# Altium PCB CFD_V1.03.PcbDoc (part 6 of 10)
Units mm, origin at the board's own origin, x right, y up, seen from the top; angles counter-clockwise.
Board outline 96.25 x 362.25 mm, 6 copper layers (Top, L2, L3, L4, L5, Bot), stack 1.496 mm thick; 1353 components, 761 nets, 4147 pads, 1354 vias.
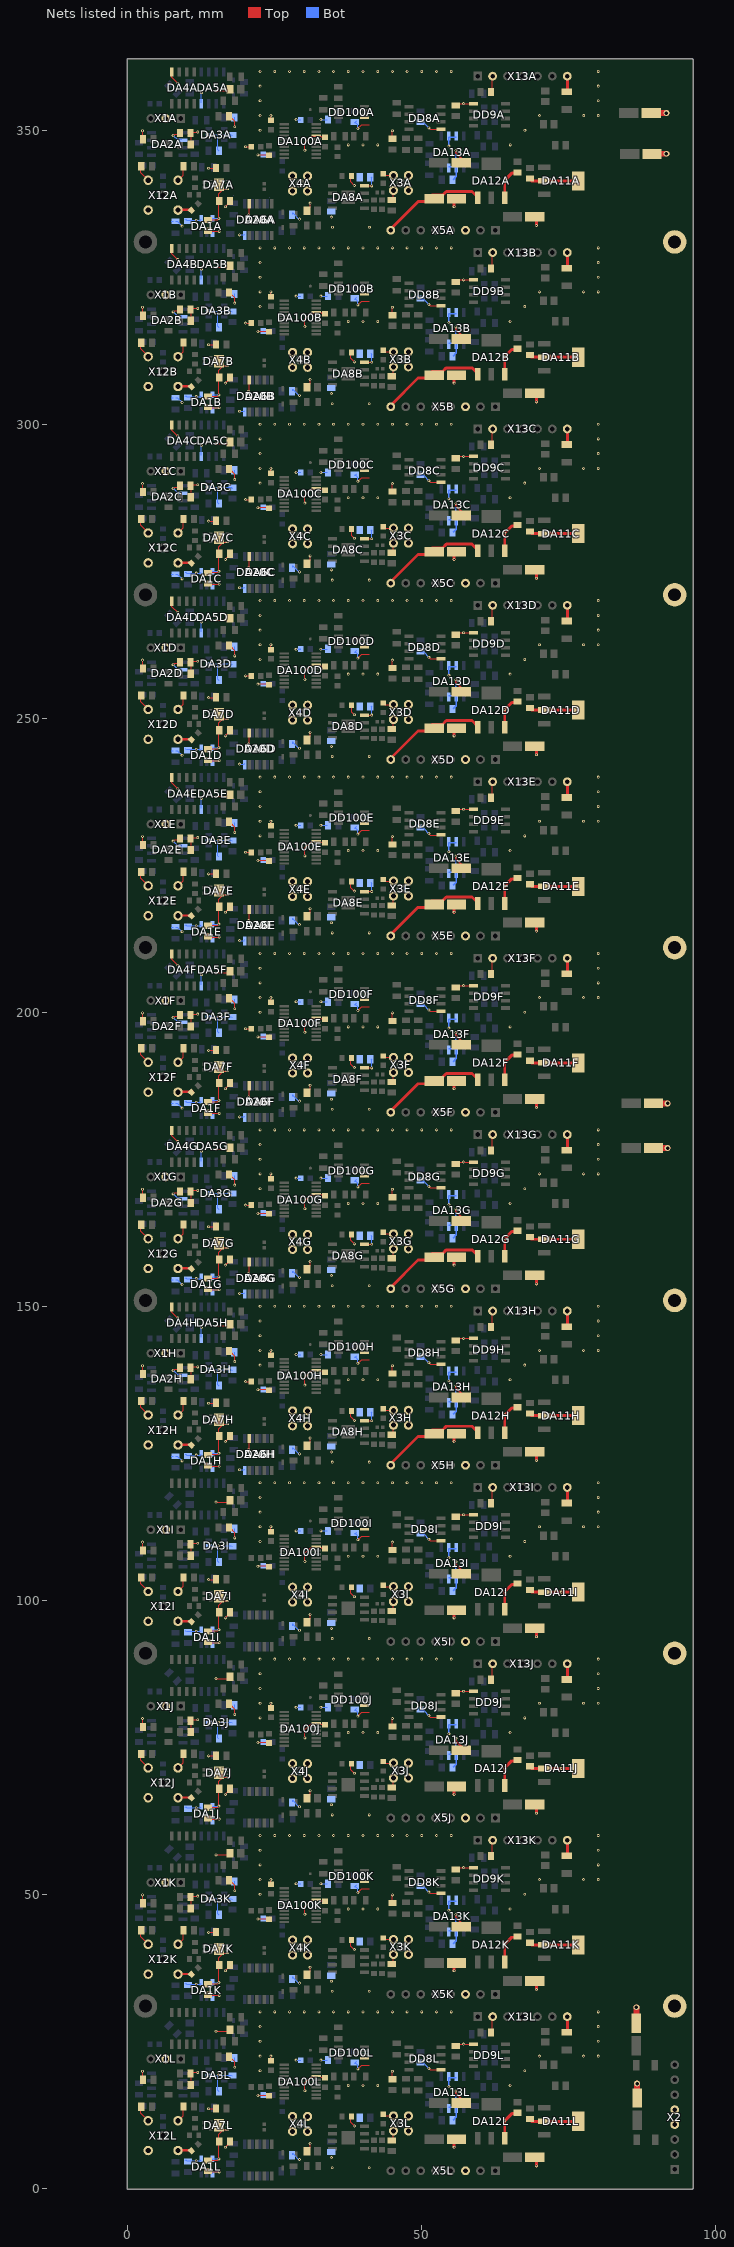
[diagram p10: the nets of this part, all layers, seen from the top]

## Via types
v1: diameter 0.48, hole 0.25, Top to Bot, tented both sides, 1301 vias
v2: diameter 1, hole 0.6, Top to Bot, tented both sides, 46 vias
v3: diameter 0.2/0.48/0.48/0.48/0.48/0.48 (per signal layer), hole 0.25, Top to Bot, tented both sides, 3 vias
v4: diameter 0.2/0/0/0/0/0.48 (per signal layer), hole 0.25, Top to Bot, tented both sides, 3 vias
v5: diameter 0.48/0.48/0.48/0.48/0.48/0.48 (per signal layer), hole 0.25, Top to Bot, tented both sides, 1 vias

## Nets (pads, with @x,y where several pads share a name; then routed paths per layer and width w, separated by ;. In a path a pad name is that pad's centre, name@x,y a point inside that pad or via, vN(x,y) a via of type N, cw(c..) or ccw(c..) an arc to the next point about the centre after c; other vN are vias at no path point) (continued)
GND: C1A.1 C1B.1 C1C.1 C1D.1 C1E.1 C1F.1 C1G.1 C1H.1 C1I.1 C1J.1 C1K.1 C1L.1 C2A.1 C2B.1 C2C.1 C2D.1 C2E.1 C2F.1 C2G.1 C2H.1 C2I.1 C2J.1 C2K.1 C2L.1 C3A.1 C3B.1 C3C.1 C3D.1 C3E.1 C3F.1 C3G.1 C3H.1 C3I.1 C3J.1 C3K.1 C3L.1 C4A.1 C4B.1 C4C.1 C4D.1 C4E.1 C4F.1 C4G.1 C4H.1 C4I.1 C4J.1 C4K.1 C4L.1 C6A.1 C6B.1 C6C.1 C6D.1 C6E.1 C6F.1 C6G.1 C6H.1 C6I.1 C6J.1 C6K.1 C6L.1 C7A.1 C7B.1 C7C.1 C7D.1 C7E.1 C7F.1 C7G.1 C7H.1 C7I.1 C7J.1 C7K.1 C7L.1 C8A.1 C8B.1 C8C.1 C8D.1 C8E.1 C8F.1 C8G.1 C8H.1 C8I.1 C8J.1 C8K.1 C8L.1 C9A.1 C9B.1 C9C.1 C9D.1 C9E.1 C9F.1 C9G.1 C9H.1 C9I.1 C9J.1 C9K.1 C9L.1 C10A.1 C10B.1 C10C.1 C10D.1 C10E.1 C10F.1 C10G.1 C10H.1 C10I.1 C10J.1 C10K.1 C10L.1 C11A.1 C11B.1 C11C.1 C11D.1 C11E.1 C11F.1 C11G.1 C11H.1 C11I.1 C11J.1 C11K.1 C11L.1 C12A.1 C12B.1 C12C.1 C12D.1 C12E.1 C12F.1 C12G.1 C12H.1 C12I.1 C12J.1 C12K.1 C12L.1 C13A.1 C13B.1 C13C.1 C13D.1 C13E.1 C13F.1 C13G.1 C13H.1 C13I.1 C13J.1 C13K.1 C13L.1 C14A.1 C14B.1 C14C.1 C14D.1 C14E.1 C14F.1 C14G.1 C14H.1 C14I.1 C14J.1 C14K.1 C14L.1 C20.2 C21.1 C24A.1 C24B.1 C24C.1 C24D.1 C24E.1 C24F.1 C24G.1 C24H.1 C24I.1 C24J.1 C24K.1 C24L.1 C26A.1 C26B.1 C26C.1 C26D.1 C26E.1 C26F.1 C26G.1 C26H.1 C26I.1 C26J.1 C26K.1 C26L.1 C29A.1 C29B.1 C29C.1 C29D.1 C29E.1 C29F.1 C29G.1 C29H.1 C29I.1 C29J.1 C29K.1 C29L.1 C30A.1 C30B.1 C30C.1 C30D.1 C30E.1 C30F.1 C30G.1 C30H.1 C30I.1 C30J.1 C30K.1 C30L.1 C34.2 C37A.1 C37B.1 C37C.1 C37D.1 C37E.1 C37F.1 C37G.1 C37H.1 C37I.1 C37J.1 C37K.1 C37L.1 C38A.1 C38B.1 C38C.1 C38D.1 C38E.1 C38F.1 C38G.1 C38H.1 C38I.1 C38J.1 C38K.1 C38L.1 C41A.1 C41B.1 C41C.1 C41D.1 C41E.1 C41F.1 C41G.1 C41H.1 C41I.1 C41J.1 C41K.1 C41L.1 C42A.2 C42B.2 C42C.2 C42D.2 C42E.2 C42F.2 C42G.2 C42H.2 C42I.2 C42J.2 C42K.2 C42L.2 C43A.1 C43B.1 C43C.1 C43D.1 C43E.1 C43F.1 C43G.1 C43H.1 C43I.1 C43J.1 C43K.1 C43L.1 C44.2 C45.1 C46.1 C47A.1 C47B.1 C47C.1 C47D.1 C47E.1 C47F.1 C47G.1 C47H.1 C47I.1 C47J.1 C47K.1 C47L.1 C71A.1 C71B.1 C71C.1 C71D.1 C71E.1 C71F.1 C71G.1 C71H.1 C71I.1 C71J.1 C71K.1 C71L.1 C73A.1 C73B.1 C73C.1 C73D.1 C73E.1 C73F.1 C73G.1 C73H.1 C73I.1 C73J.1 C73K.1 C73L.1 C129A.1 C129B.1 C129C.1 C129D.1 C129E.1 C129F.1 C129G.1 C129H.1 C129I.1 C129J.1 C129K.1 C129L.1 C135A.2 C135B.2 C135C.2 C135D.2 C135E.2 C135F.2 C135G.2 C135H.2 C135I.2 C135J.2 C135K.2 C135L.2 C145A.1 C145B.1 C145C.1 C145D.1 C145E.1 C145F.1 C145G.1 C145H.1 C145I.1 C145J.1 C145K.1 C145L.1 C146A.1 C146B.1 C146C.1 C146D.1 C146E.1 C146F.1 C146G.1 C146H.1 C146I.1 C146J.1 C146K.1 C146L.1 C300A.1 C300B.1 C300C.1 C300D.1 C300E.1 C300F.1 C300G.1 C300H.1 C300I.1 C300J.1 C300K.1 C300L.1 C301A.1 C301B.1 C301C.1 C301D.1 C301E.1 C301F.1 C301G.1 C301H.1 C301I.1 C301J.1 C301K.1 C301L.1 C302A.1 C302B.1 C302C.1 C302D.1 C302E.1 C302F.1 C302G.1 C302H.1 C302I.1 C302J.1 C302K.1 C302L.1 C303A.1 C303B.1 C303C.1 C303D.1 C303E.1 C303F.1 C303G.1 C303H.1 C303I.1 C303J.1 C303K.1 C303L.1 C400A.1 C400B.1 C400C.1 C400D.1 C400E.1 C400F.1 C400G.1 C400H.1 C400I.1 C400J.1 C400K.1 C400L.1 C401A.1 C401B.1 C401C.1 C401D.1 C401E.1 C401F.1 C401G.1 C401H.1 C401I.1 C401J.1 C401K.1 C401L.1 C402A.1 C402B.1 C402C.1 C402D.1 C402E.1 C402F.1 C402G.1 C402H.1 C402I.1 C402J.1 C402K.1 C402L.1 C403A.1 C403B.1 C403C.1 C403D.1 C403E.1 C403F.1 C403G.1 C403H.1 C403I.1 C403J.1 C403K.1 C403L.1 DA1A.1 DA1A.4 DA1B.1 DA1B.4 DA1C.1 DA1C.4 DA1D.1 DA1D.4 DA1E.1 DA1E.4 DA1F.1 DA1F.4 DA1G.1 DA1G.4 DA1H.1 DA1H.4 DA1I.1 DA1I.4 DA1J.1 DA1J.4 DA1K.1 DA1K.4 DA1L.1 DA1L.4 DA3A.2 DA3B.2 DA3C.2 DA3D.2 DA3E.2 DA3F.2 DA3G.2 DA3H.2 DA3I.2 DA3J.2 DA3K.2 DA3L.2 DA11A.2 DA11A.4 DA11B.2 DA11B.4 DA11C.2 DA11C.4 DA11D.2 DA11D.4 DA11E.2 DA11E.4 DA11F.2 DA11F.4 DA11G.2 DA11G.4 DA11H.2 DA11H.4 DA11I.2 DA11I.4 DA11J.2 DA11J.4 DA11K.2 DA11K.4 DA11L.2 DA11L.4 DA12A.3 DA12B.3 DA12C.3 DA12D.3 DA12E.3 DA12F.3 DA12G.3 DA12H.3 DA12I.3 DA12J.3 DA12K.3 DA12L.3 DA13A.2 DA13A.3 DA13A.6 DA13A.7 DA13B.2 DA13B.3 DA13B.6 DA13B.7 DA13C.2 DA13C.3 DA13C.6 DA13C.7 DA13D.2 DA13D.3 DA13D.6 DA13D.7 DA13E.2 DA13E.3 DA13E.6 DA13E.7 DA13F.2 DA13F.3 DA13F.6 DA13F.7 DA13G.2 DA13G.3 DA13G.6 DA13G.7 DA13H.2 DA13H.3 DA13H.6 DA13H.7 DA13I.2 DA13I.3 DA13I.6 DA13I.7 DA13J.2 DA13J.3 DA13J.6 DA13J.7 DA13K.2 DA13K.3 DA13K.6 DA13K.7 DA13L.2 DA13L.3 DA13L.6 DA13L.7 DA100A.17 DA100B.17 DA100C.17 DA100D.17 DA100E.17 DA100F.17 DA100G.17 DA100H.17 DA100I.17 DA100J.17 DA100K.17 DA100L.17 DD8A.5 DD8B.5 DD8C.5 DD8D.5 DD8E.5 DD8F.5 DD8G.5 DD8H.5 DD8I.5 DD8J.5 DD8K.5 DD8L.5 DD9A.5 DD9B.5 DD9C.5 DD9D.5 DD9E.5 DD9F.5 DD9G.5 DD9H.5 DD9I.5 DD9J.5 DD9K.5 DD9L.5 DD100A.5 DD100B.5 DD100C.5 DD100D.5 DD100E.5 DD100F.5 DD100G.5 DD100H.5 DD100I.5 DD100J.5 DD100K.5 DD100L.5 pad.1@93,31 pad.1@93,91 pad.1@93,151 pad.1@93,211 pad.1@93,271 pad.1@93,331 R4A.1 R4B.1 R4C.1 R4D.1 R4E.1 R4F.1 R4G.1 R4H.1 R4I.1 R4J.1 R4K.1 R4L.1 R11A.1 R11B.1 R11C.1 R11D.1 R11E.1 R11F.1 R11G.1 R11H.1 R11I.1 R11J.1 R11K.1 R11L.1 R304A.1 R304B.1 R304C.1 R304D.1 R304E.1 R304F.1 R304G.1 R304H.1 R304I.1 R304J.1 R304K.1 R304L.1 X1A.2 X1B.2 X1C.2 X1D.2 X1E.2 X1F.2 X1G.2 X1H.2 X1I.2 X1J.2 X1K.2 X1L.2 X2.4 X2.5 X3A.2 X3B.2 X3C.2 X3D.2 X3E.2 X3F.2 X3G.2 X3H.2 X3I.2 X3J.2 X3K.2 X3L.2 X4A.2 X4B.2 X4C.2 X4D.2 X4E.2 X4F.2 X4G.2 X4H.2 X4I.2 X4J.2 X4K.2 X4L.2 X5A.3 X5B.3 X5C.3 X5D.3 X5E.3 X5F.3 X5G.3 X5H.3 X5I.3 X5J.3 X5K.3 X5L.3 X12A.2 X12B.2 X12C.2 X12D.2 X12E.2 X12F.2 X12G.2 X12H.2 X12I.2 X12J.2 X12K.2 X12L.2 X13A.2 X13A.7 X13B.2 X13B.7 X13C.2 X13C.7 X13D.2 X13D.7 X13E.2 X13E.7 X13F.2 X13F.7 X13G.2 X13G.7 X13H.2 X13H.7 X13I.2 X13I.7 X13J.2 X13J.7 X13K.2 X13K.7 X13L.2 X13L.7 | length 1238.5
  Top w0.2: C2L.1@2.2,13.9 2.2,12.8 X12L.2@3.46,11.54 ; C71L.1@2.2,18.44 2.5,18.74 v1(2.5,19.9) ; C2K.1@2.2,43.9 2.2,42.8 X12K.2@3.46,41.54 ; C71K.1@2.2,48.44 2.5,48.74 v1(2.5,49.9) ; C2J.1@2.2,73.9 2.2,72.8 X12J.2@3.46,71.54 ; C71J.1@2.2,78.44 2.402,78.642 2.5,78.74 v1(2.5,79.9) ; C2I.1@2.2,103.9 2.2,102.8 X12I.2@3.46,101.54 ; C71I.1@2.2,108.44 2.5,108.74 v1(2.5,109.9) ; C2H.1@2.2,133.9 2.2,132.8 X12H.2@3.46,131.54 ; C71H.1@2.2,138.44 2.5,138.74 v1(2.5,139.9) ; C2G.1@2.2,163.9 2.2,162.8 X12G.2@3.46,161.54 ; C71G.1@2.2,168.44 2.5,168.74 v1(2.5,169.9) ; C2F.1@2.2,193.9 2.2,192.8 X12F.2@3.46,191.54 ; C71F.1@2.2,198.44 2.5,198.74 v1(2.5,199.9) ; C2E.1@2.2,223.9 2.2,222.8 X12E.2@3.46,221.54 ; C71E.1@2.2,228.44 2.402,228.642 2.5,228.74 v1(2.5,229.9) ; C2D.1@2.2,253.9 2.2,252.8 X12D.2@3.46,251.54 ; C71D.1@2.2,258.44 2.5,258.74 v1(2.5,259.9) ; C2C.1@2.2,283.9 2.2,282.8 X12C.2@3.46,281.54 ; C71C.1@2.2,288.44 2.5,288.74 v1(2.5,289.9) ; C2B.1@2.2,313.9 2.2,312.8 X12B.2@3.46,311.54 ; C71B.1@2.2,318.44 2.5,318.74 v1(2.5,319.9) ; C2A.1@2.2,343.9 2.2,342.8 X12A.2@3.46,341.54 ; C71A.1@2.2,348.44 2.5,348.74 v1(2.5,349.9) ; X12L.2@8.54,11.5 9.4,12.36 C14L.1@9.4,13.9 ; X12K.2@8.54,41.5 9.4,42.36 C14K.1@9.4,43.9 ; X12J.2@8.54,71.5 9.4,72.36 C14J.1@9.4,73.9 ; X12I.2@8.54,101.5 9.4,102.36 C14I.1@9.4,103.9 ; X12H.2@8.54,131.5 9.4,132.36 C14H.1@9.4,133.9 ; X12G.2@8.54,161.5 9.4,162.36 C14G.1@9.4,163.9 ; X12F.2@8.54,191.5 9.4,192.36 C14F.1@9.4,193.9 ; X12E.2@8.54,221.5 9.4,222.36 C14E.1@9.4,223.9 ; X12D.2@8.54,251.5 9.4,252.36 C14D.1@9.4,253.9 ; X12C.2@8.54,281.5 9.4,282.36 C14C.1@9.4,283.9 ; X12B.2@8.54,311.5 9.4,312.36 C14B.1@9.4,313.9 ; X12A.2@8.54,341.5 9.4,342.36 C14A.1@9.4,343.9 ; C37L.1@10.8,17.6 10.8,19.7 v1(11.89,19.7) ; C37K.1@10.8,47.6 10.8,49.7 v1(11.89,49.7) ; C37J.1@10.8,77.6 10.8,79.7 v1(11.89,79.7) ; C37I.1@10.8,107.6 10.8,109.7 v1(11.89,109.7) ; C37H.1@10.8,137.6 10.8,139.7 v1(11.89,139.7) ; C37G.1@10.8,167.6 10.8,169.7 v1(11.89,169.7) ; C37F.1@10.8,197.6 10.8,199.7 v1(11.89,199.7) ; C37E.1@10.8,227.6 10.8,229.7 v1(11.89,229.7) ; C37D.1@10.8,257.6 10.8,259.7 v1(11.89,259.7) ; C37C.1@10.8,287.6 10.8,289.7 v1(11.89,289.7) ; C37B.1@10.8,317.6 10.8,319.7 v1(11.89,319.7) ; C37A.1@10.8,347.6 10.8,349.7 v1(11.89,349.7) ; C9L.1@13.65,2.8 v1(15.55,2.8) ; C9K.1@13.65,32.8 v1(15.55,32.8) ; C9J.1@13.65,62.8 v1(15.55,62.8) ; C9I.1@13.65,92.8 v1(15.55,92.8) ; C9H.1@13.65,122.8 v1(15.55,122.8) ; C9G.1@13.65,152.8 v1(15.55,152.8) ; C9F.1@13.65,182.8 v1(15.55,182.8) ; C9E.1@13.65,212.8 v1(15.55,212.8) ; C9D.1@13.65,242.8 v1(15.55,242.8) ; C9C.1@13.65,272.8 v1(15.55,272.8) ; C9B.1@13.65,302.8 v1(15.55,302.8) ; C9A.1@13.65,332.8 v1(15.55,332.8) ; v1(13.73,13.525) 14.825,13.525 C3L.1@14.9,13.6 ; v1(13.73,43.525) 14.825,43.525 C3K.1@14.9,43.6 ; v1(13.73,73.525) 14.825,73.525 C3J.1@14.9,73.6 ; v1(13.73,103.525) 14.825,103.525 C3I.1@14.9,103.6 ; v1(13.73,133.525) 14.825,133.525 C3H.1@14.9,133.6 ; v1(13.73,163.525) 14.825,163.525 C3G.1@14.9,163.6 ; v1(13.73,193.525) 14.825,193.525 C3F.1@14.9,193.6 ; v1(13.73,223.525) 14.825,223.525 C3E.1@14.9,223.6 ; v1(13.73,253.525) 14.825,253.525 C3D.1@14.9,253.6 ; v1(13.73,283.525) 14.825,283.525 C3C.1@14.9,283.6 ; v1(13.73,313.525) 14.825,313.525 C3B.1@14.9,313.6 ; v1(13.73,343.525) 14.825,343.525 C3A.1@14.9,343.6 ; v1(15,26.7) 17,26.7 C4L.1@17.3,27 ; v1(15,56.7) 17,56.7 C4K.1@17.3,57 ; v1(15,86.7) 17,86.7 C4J.1@17.3,87 ; v1(15,116.7) 17,116.7 C4I.1@17.3,117 ; v1(15,146.7) 17,146.7 C4H.1@17.3,147 ; v1(15,176.7) 17,176.7 C4G.1@17.3,177 ; v1(15,206.7) 17,206.7 C4F.1@17.3,207 ; v1(15,236.7) 17,236.7 C4E.1@17.3,237 ; v1(15,266.7) 17,266.7 C4D.1@17.3,267 ; v1(15,296.7) 17,296.7 C4C.1@17.3,297 ; v1(15,326.7) 17,326.7 C4B.1@17.3,327 ; v1(15,356.7) 17,356.7 C4A.1@17.3,357 ; v1(16.6,7) 17.464,7.864 C11L.1@17.5,7.9 ; v3(16.6,37) C11K.1@17.5,37.9 ; v1(16.6,67) 17.464,67.864 C11J.1@17.5,67.9 ; v1(16.6,97) 17.464,97.864 C11I.1@17.5,97.9 ; v3(16.6,127) C11H.1@17.5,127.9 ; v3(16.6,157) 17.464,157.864 C11G.1@17.5,157.9 ; v1(16.6,187) C11F.1@17.5,187.9 ; v1(16.6,217) 17.464,217.864 C11E.1@17.5,217.9 ; v1(16.6,247) 17.464,247.864 C11D.1@17.5,247.9 ; v1(16.6,277) C11C.1@17.5,277.9 ; v1(16.6,307) 17.464,307.864 C11B.1@17.5,307.9 ; v1(16.6,337) 17.464,337.864 C11A.1@17.5,337.9 ; C43L.1@17.3,22.4 18.2,21.5 v1(18.2,20.6) ; C43K.1@17.3,52.4 18.2,51.5 v1(18.2,50.6) ; C43J.1@17.3,82.4 18.2,81.5 v1(18.2,80.6) ; C43I.1@17.3,112.4 18.2,111.5 v1(18.2,110.6) ; C43H.1@17.3,142.4 18.2,141.5 v1(18.2,140.6) ; C43G.1@17.3,172.4 18.2,171.5 v1(18.2,170.6) ; C43F.1@17.3,202.4 18.2,201.5 v1(18.2,200.6) ; C43E.1@17.3,232.4 18.2,231.5 v1(18.2,230.6) ; C43D.1@17.3,262.4 18.2,261.5 v1(18.2,260.6) ; C43C.1@17.3,292.4 18.2,291.5 v1(18.2,290.6) ; C43B.1@17.3,322.4 18.2,321.5 v1(18.2,320.6) ; C43A.1@17.3,352.4 18.2,351.5 v1(18.2,350.6) ; v1(22.13,15.8) 22.18,15.85 C301L.1@24.03,15.85 ; v1(22.13,45.8) 22.18,45.85 C301K.1@24.03,45.85 ; v1(22.13,75.8) 22.18,75.85 C301J.1@24.03,75.85 ; v1(22.13,105.8) 22.18,105.85 C301I.1@24.03,105.85 ; v1(22.13,135.8) 22.18,135.85 C301H.1@24.03,135.85 ; v1(22.13,165.8) 22.18,165.85 C301G.1@24.03,165.85 ; v1(22.13,195.8) 22.18,195.85 C301F.1@24.03,195.85 ; v1(22.13,225.8) 22.18,225.85 C301E.1@24.03,225.85 ; v1(22.13,255.8) 22.18,255.85 C301D.1@24.03,255.85 ; v1(22.13,285.8) 22.18,285.85 C301C.1@24.03,285.85 ; v1(22.13,315.8) 22.18,315.85 C301B.1@24.03,315.85 ; v1(22.13,345.8) 22.18,345.85 C301A.1@24.03,345.85 ; v1(24.33,22.5) 24.33,21.45 24.46,21.58 C300L.1@24.36,21.68 ; v1(24.33,52.5) 24.33,51.45 24.46,51.58 C300K.1@24.36,51.68 ; v1(24.33,82.5) 24.33,81.45 24.46,81.58 C300J.1@24.36,81.68 ; v1(24.33,112.5) 24.33,111.45 24.46,111.58 C300I.1@24.36,111.68 ; v1(24.33,142.5) 24.33,141.45 24.46,141.58 C300H.1@24.36,141.68 ; v1(24.33,172.5) C300G.1@24.33,171.45 ; v1(24.33,202.5) 24.33,201.45 24.46,201.58 C300F.1@24.36,201.68 ; v1(24.33,232.5) 24.33,231.45 24.46,231.58 C300E.1@24.36,231.68 ; v1(24.33,262.5) 24.33,261.45 C300D.1@24.46,261.58 ; v1(24.33,292.5) 24.33,291.45 24.46,291.58 C300C.1@24.36,291.68 ; v1(24.33,322.5) 24.33,321.45 24.46,321.58 C300B.1@24.36,321.68 ; v1(24.33,352.5) 24.33,351.45 24.46,351.58 C300A.1@24.36,351.68 ; v1@30.12,256.536 30.12,257.954 31.165,258.999 31.93,258.999 DA100D.17@32.03,259.099 ; v1(30.13,16.6) 30.13,17.964 31.165,18.999 31.93,18.999 DA100L.17@32.03,19.099 ; v1(30.13,46.6) 30.13,47.964 31.165,49 31.93,49 DA100K.17@32.03,49.1 ; v1(30.13,76.6) 30.13,77.964 31.165,78.999 31.93,78.999 DA100J.17@32.03,79.099 ; v1(30.13,106.6) 30.13,107.964 31.165,109 31.93,109 DA100I.17@32.03,109.099 ; v1(30.13,136.6) 30.13,137.964 31.165,139 31.93,139 DA100H.17@32.03,139.1 ; v1(30.13,166.6) 30.13,167.964 31.165,168.999 31.93,168.999 DA100G.17@32.03,169.099 ; v1(30.13,196.6) 30.13,197.964 31.165,199 31.93,199 DA100F.17@32.03,199.1 ; v1(30.13,226.6) 30.13,227.964 31.165,229 31.93,229 DA100E.17@32.03,229.1 ; v1(30.13,286.6) 30.13,287.964 31.165,289 31.93,289 DA100C.17@32.03,289.1 ; v1(30.13,316.6) 30.13,317.964 31.165,318.999 31.93,318.999 DA100B.17@32.03,319.099 32.755,319.1 33.305,318.55 C302B.1@33.53,318.55 ; v1(30.13,346.6) 30.13,347.965 31.165,349 31.93,349 DA100A.17@32.03,349.1 32.755,349.1 33.305,348.55 C302A.1@33.53,348.55 ; C13L.1@30.4,6.3 31,6.9 v1(31,7.6) ; C13K.1@30.4,36.3 31,36.9 v1(31,37.6) ; C13J.1@30.4,66.3 30.448,66.348 31,66.9 v1(31,67.6) ; C13I.1@30.4,96.3 31,96.9 v1(31,97.6) ; C13H.1@30.4,126.3 30.448,126.348 31,126.9 v1(31,127.6) ; C13G.1@30.4,156.3 30.448,156.348 31,156.9 v1(31,157.6) ; C13F.1@30.4,186.3 31,186.9 v1(31,187.6) ; C13E.1@30.4,216.3 30.448,216.348 31,216.9 v1(31,217.6) ; C13D.1@30.4,246.3 31,246.9 v1(31,247.6) ; C13C.1@30.4,276.3 31,276.9 v1(31,277.6) ; C13B.1@30.4,306.3 30.448,306.348 31,306.9 v1(31,307.6) ; C13A.1@30.4,336.3 31,336.9 v1(31,337.6) ; DA100L.17@31.404,19.1 DA100L.17@32.03,19.099 ; DA100K.17@31.404,49.1 DA100K.17@32.03,49.1 ; DA100J.17@31.404,79.1 DA100J.17@32.03,79.099 32.755,79.1 33.286,78.569 33.305,78.55 C302J.1@33.53,78.55 ; DA100H.17@31.404,139.1 DA100H.17@32.03,139.1 32.755,139.1 C302H.1@33.305,138.55 ; DA100C.17@31.404,289.1 DA100C.17@32.03,289.1 32.755,289.1 C302C.1@33.305,288.55 ; DA100I.17@32.03,109.099 32.755,109.1 33.305,108.55 C302I.1@33.53,108.55 ; DA100G.17@32.03,169.099 32.755,169.1 33.305,168.55 C302G.1@33.53,168.55 ; DA100F.17@32.03,199.1 32.755,199.1 33.305,198.55 C302F.1@33.53,198.55 ; DA100E.17@32.03,229.1 32.755,229.1 33.305,228.55 C302E.1@33.53,228.55 ; DA100D.17@32.03,259.036 32.745,259.036 33.295,258.486 C302D.1@33.52,258.486 ; C302L.1@33.53,18.55 33.305,18.55 33.286,18.569 32.755,19.1 DA100L.17@32.03,19.099 ; R304L.1@37.93,12.2 37.93,11.2 v1(38.53,10.6) ; R304K.1@37.93,42.2 37.93,41.2 v1(38.53,40.6) ; R304J.1@37.93,72.2 37.93,71.2 v1(38.53,70.6) ; R304I.1@37.93,102.2 37.93,101.2 v1(38.53,100.6) ; R304H.1@37.93,132.2 37.93,131.2 v1(38.53,130.6) ; R304G.1@37.93,162.2 37.93,161.2 v1(38.53,160.6) ; R304F.1@37.93,192.2 37.93,191.2 v1(38.53,190.6) ; R304E.1@37.93,222.2 37.93,221.2 v1(38.53,220.6) ; R304B.1@37.93,312.2 37.93,311.2 v1(38.53,310.6) ; R304A.1@37.93,342.2 37.93,341.2 v1(38.53,340.6) ; R304D.1@38.039,252.21 38.039,251.091 v1(38.53,250.6) ; R304C.1@38.039,282.21 38.039,281.091 v1(38.53,280.6) ; v1(39.12,260.236) 39.75,260.866 41.02,260.866 ; v1(39.13,20.3) 39.76,20.93 41.03,20.93 ; v1(39.13,50.3) 39.76,50.93 41.03,50.93 ; v1(39.13,80.3) 39.76,80.93 41.03,80.93 ; v1(39.13,110.3) 39.76,110.93 41.03,110.93 ; v1(39.13,140.3) 39.76,140.93 41.03,140.93 ; v1(39.13,170.3) 39.76,170.93 41.03,170.93 ; v1(39.13,200.3) 39.76,200.93 41.03,200.93 ; v1(39.13,230.3) 39.76,230.93 41.03,230.93 ; v1(39.13,290.3) 39.76,290.93 41.03,290.93 ; v1(39.13,320.3) 39.76,320.93 41.03,320.93 ; v1(39.13,350.3) 39.76,350.93 41.03,350.93 ; R11L.1@43.435,12.581 43.7,12.316 X3L.2@45.178,12.316 ; R11K.1@43.435,42.581 43.7,42.316 X3K.2@45.178,42.316 ; R11J.1@43.435,72.581 43.7,72.316 X3J.2@45.178,72.316 ; R11I.1@43.435,102.581 43.7,102.316 X3I.2@45.178,102.316 ; R11H.1@43.435,132.581 43.7,132.316 X3H.2@45.178,132.316 ; R11G.1@43.435,162.581 43.7,162.316 X3G.2@45.178,162.316 ; R11F.1@43.435,192.581 43.7,192.316 X3F.2@45.178,192.316 ; R11E.1@43.435,222.581 43.7,222.316 X3E.2@45.178,222.316 ; R11D.1@43.435,252.581 43.7,252.316 X3D.2@45.178,252.316 ; R11C.1@43.435,282.581 43.7,282.316 X3C.2@45.178,282.316 ; R11B.1@43.435,312.581 43.7,312.316 X3B.2@45.178,312.316 ; R11A.1@43.435,342.581 43.7,342.316 X3A.2@45.178,342.316 ; C73L.1@44.882,7.898 45.115,8.131 X3L.2@45.115,9.519 ; C73K.1@44.882,37.898 45.115,38.131 X3K.2@45.115,39.519 ; C73J.1@44.882,67.898 45.115,68.131 X3J.2@45.115,69.519 ; C73I.1@44.882,97.898 45.115,98.131 X3I.2@45.115,99.519 ; C73H.1@44.882,127.898 45.115,128.131 X3H.2@45.115,129.519 ; C73G.1@44.882,157.898 45.115,158.131 X3G.2@45.115,159.519 ; C73F.1@44.882,187.898 45.115,188.131 X3F.2@45.115,189.519 ; C73E.1@44.882,217.898 45.115,218.131 X3E.2@45.115,219.519 ; C73D.1@44.882,247.898 45.115,248.131 X3D.2@45.115,249.519 ; C73C.1@44.882,277.898 45.115,278.131 X3C.2@45.115,279.519 ; C73B.1@44.882,307.898 45.115,308.131 X3B.2@45.115,309.518 ; C73A.1@44.882,337.898 45.115,338.131 X3A.2@45.115,339.518 ; C8L.1@45,18.65 v1(45,19.9) ; C8K.1@45,48.65 v1(45,49.9) ; C8J.1@45,78.65 v1(45,79.9) ; C8I.1@45,108.65 v1(45,109.9) ; C8H.1@45,138.65 v1(45,139.9) ; C8G.1@45,168.65 v1(45,169.9) ; C8F.1@45,198.65 v1(45,199.9) ; C8E.1@45,228.65 v1(45,229.9) ; C8D.1@45,258.65 v1(45,259.9) ; C8C.1@45,288.65 v1(45,289.9) ; C8B.1@45,318.65 v1(45,319.9) ; C8A.1@45,348.65 v1(45,349.9) ; v1(51.215,20.386) 51.455,20.146 DD8L.5@53.015,20.146 ; v1(51.215,50.386) 51.455,50.146 DD8K.5@53.015,50.146 ; v1(51.215,80.386) 51.455,80.146 DD8J.5@53.015,80.146 ; v1(51.215,110.386) 51.455,110.146 DD8I.5@53.015,110.146 ; v1(51.215,140.386) 51.455,140.146 DD8H.5@53.015,140.146 ; v1(51.215,170.386) 51.455,170.146 DD8G.5@53.015,170.146 ; v1(51.215,200.386) 51.455,200.146 DD8F.5@53.015,200.146 ; v1(51.215,230.386) 51.455,230.146 DD8E.5@53.015,230.146 ; v1(51.215,260.386) 51.455,260.146 DD8D.5@53.015,260.146 ; v1(51.215,290.386) 51.455,290.146 DD8C.5@53.015,290.146 ; v1(51.215,320.386) 51.455,320.146 DD8B.5@53.015,320.146 ; v1(51.215,350.386) 51.455,350.146 DD8A.5@53.015,350.146 ; C24L.1@55.8,24.3 56.037,24.537 v1(57.114,24.537) DD9L.5@58.985,24.537 ; C24K.1@55.8,54.3 56.037,54.537 v1(57.114,54.537) DD9K.5@58.985,54.537 ; C24J.1@55.8,84.3 56.037,84.537 v1(57.114,84.537) DD9J.5@58.985,84.537 ; C24I.1@55.8,114.3 56.037,114.537 v1(57.114,114.537) DD9I.5@58.985,114.537 ; C24H.1@55.8,144.3 56.037,144.537 v1(57.114,144.537) DD9H.5@58.985,144.537 ; C24G.1@55.8,174.3 56.037,174.537 v1(57.114,174.537) DD9G.5@58.985,174.537 ; C24F.1@55.8,204.3 56.037,204.537 v1(57.114,204.537) DD9F.5@58.985,204.537 ; C24E.1@55.8,234.3 56.037,234.537 v1(57.114,234.537) DD9E.5@58.985,234.537 ; C24D.1@55.8,264.3 56.037,264.537 v1(57.114,264.537) DD9D.5@58.985,264.537 ; C24C.1@55.8,294.3 56.037,294.537 v1(57.114,294.537) DD9C.5@58.985,294.537 ; C24B.1@55.8,324.3 56.037,324.537 v1(57.115,324.537) DD9B.5@58.985,324.537 ; C24A.1@55.8,354.3 56.037,354.537 v1(57.115,354.537) DD9A.5@58.985,354.537 ; C303L.1@61.83,26.564 C303L.1@61.894,26.5 ; C303K.1@61.83,56.564 61.833,56.561 C303K.1@61.894,56.5 ; C303J.1@61.83,86.564 61.833,86.561 C303J.1@61.894,86.5 ; C303I.1@61.83,116.564 61.833,116.561 C303I.1@61.894,116.5 ; C303H.1@61.83,146.564 61.833,146.561 C303H.1@61.894,146.5 ; C303G.1@61.83,176.564 61.833,176.561 C303G.1@61.894,176.5 ; C303F.1@61.83,206.564 61.833,206.561 C303F.1@61.894,206.5 ; C303E.1@61.83,236.564 61.833,236.561 C303E.1@61.894,236.5 ; C303D.1@61.83,266.564 61.833,266.561 C303D.1@61.894,266.5 ; C303C.1@61.83,296.564 61.833,296.561 C303C.1@61.894,296.5 ; C303B.1@61.83,326.564 61.833,326.561 C303B.1@61.894,326.5 ; C303A.1@61.83,356.564 C303A.1@61.894,356.5 ; C303L.1@61.93,26.5 61.985,26.555 61.985,29.145 X13L.2@62.04,29.2 ; C303K.1@61.93,56.5 61.985,56.555 61.985,59.145 X13K.2@62.04,59.2 ; C303J.1@61.93,86.5 61.985,86.555 61.985,89.145 X13J.2@62.04,89.2 ; C303I.1@61.93,116.5 61.985,116.555 61.985,119.145 X13I.2@62.04,119.2 ; C303H.1@61.93,146.5 61.985,146.555 61.985,149.145 X13H.2@62.04,149.2 ; C303G.1@61.93,176.5 61.985,176.555 61.985,179.145 X13G.2@62.04,179.2 ; C303F.1@61.93,206.5 61.985,206.555 61.985,209.145 X13F.2@62.04,209.2 ; C303E.1@61.93,236.5 61.985,236.555 61.985,239.145 X13E.2@62.04,239.2 ; C303D.1@61.93,266.5 61.985,266.555 61.985,269.145 X13D.2@62.04,269.2 ; C303C.1@61.93,296.5 61.985,296.555 61.985,299.145 X13C.2@62.04,299.2 ; C303B.1@61.93,326.5 61.985,326.555 61.985,329.145 X13B.2@62.04,329.2 ; C303A.1@61.93,356.5 61.985,356.555 61.985,359.145 X13A.2@62.04,359.2 ; C300G.1@24.33,171.45 C300G.1@24.46,171.58 ; C300G.1@24.33,171.45 C300G.1@24.46,171.58 ; C300G.1@24.46,171.58 24.36,171.68 C300G.1@24.46,171.58 ; C300D.1@24.46,261.58 24.36,261.68 C300D.1@24.46,261.58 ; DA100K.17@32.03,49.1 32.755,49.1 C302K.1@33.305,48.55 ; C302K.1@33.305,48.55 33.53,48.55 C302K.1@33.305,48.55 ; C302H.1@33.305,138.55 33.53,138.55 C302H.1@33.305,138.55 ; C302C.1@33.305,288.55 33.53,288.55 C302C.1@33.305,288.55
  Top w0.25: v1(55.8,16.55) 55.8,16.144 57,14.944 C42L.2@57,14.45 ; v1(55.8,46.55) 55.8,46.144 57,44.944 C42K.2@57,44.45 ; v1(55.8,76.55) 55.8,76.144 57,74.944 C42J.2@57,74.45 ; v1(55.8,106.55) 55.8,106.144 57,104.944 C42I.2@57,104.45 ; v1(55.8,136.55) 55.8,136.144 57,134.944 C42H.2@57,134.45 ; v1(55.8,166.55) 55.8,166.144 57,164.944 C42G.2@57,164.45 ; v1(55.8,196.55) 55.8,196.144 57,194.944 C42F.2@57,194.45 ; v1(55.8,226.55) 55.8,226.144 57,224.944 C42E.2@57,224.45 ; v1(55.8,256.55) 55.8,256.144 57,254.944 C42D.2@57,254.45 ; v1(55.8,286.55) 55.8,286.144 57,284.944 C42C.2@57,284.45 ; v1(55.8,316.55) 55.8,316.144 57,314.944 C42B.2@57,314.45 ; v1(55.8,346.55) 55.8,346.144 57,344.944 C42A.2@57,344.45
  Top w0.4: X12L.2@8.54,6.46 R4L.1@11.03,6.46 ; X12K.2@8.54,36.46 R4K.1@11.03,36.46 ; X12J.2@8.54,66.46 R4J.1@11.03,66.46 ; X12I.2@8.54,96.46 R4I.1@11.03,96.46 ; X12H.2@8.54,126.46 R4H.1@11.03,126.46 ; X12G.2@8.54,156.46 R4G.1@11.03,156.46 ; X12F.2@8.54,186.46 R4F.1@11.03,186.46 ; X12E.2@8.54,216.46 R4E.1@11.03,216.46 ; X12D.2@8.54,246.46 R4D.1@11.03,246.46 ; X12C.2@8.54,276.46 R4C.1@11.03,276.46 ; X12B.2@8.54,306.46 R4B.1@11.03,306.46 ; X12A.2@8.54,336.46 R4A.1@11.03,336.46
  Top w0.5: v1(55.5,7) C146L.1@55.5,8.4 ; v1(55.5,37) C146K.1@55.5,38.4 ; v1(55.5,67) C146J.1@55.5,68.4 ; v1(55.5,97) C146I.1@55.5,98.4 ; v1(55.5,127) C146H.1@55.5,128.4 ; v1(55.5,157) C146G.1@55.5,158.4 ; v1(55.5,187) C146F.1@55.5,188.4 ; v1(55.5,217) C146E.1@55.5,218.4 ; v1(55.5,247) C146D.1@55.5,248.4 ; v1(55.5,277) C146C.1@55.5,278.4 ; v1(55.5,307) C146B.1@55.5,308.4 ; v1(55.5,337) C146A.1@55.5,338.4 ; DA12L.3@64.1,8.4 v1(64.1,11.5) 65.3,12.7 C145L.1@66.3,12.7 ; DA12K.3@64.1,38.4 v1(64.1,41.5) 65.3,42.7 C145K.1@66.3,42.7 ; DA12J.3@64.1,68.4 v1(64.1,71.5) 65.3,72.7 C145J.1@66.3,72.7 ; DA12I.3@64.1,98.4 v1(64.1,101.5) 65.3,102.7 C145I.1@66.3,102.7 ; DA12H.3@64.1,128.4 v1(64.1,131.5) 65.3,132.7 C145H.1@66.3,132.7 ; DA12G.3@64.1,158.4 v1(64.1,161.5) 65.3,162.7 C145G.1@66.3,162.7 ; DA12F.3@64.1,188.4 v1(64.1,191.5) 65.3,192.7 C145F.1@66.3,192.7 ; DA12E.3@64.1,218.4 v1(64.1,221.5) 65.3,222.7 C145E.1@66.3,222.7 ; DA12D.3@64.1,248.4 v1(64.1,251.5) 65.3,252.7 C145D.1@66.3,252.7 ; DA12C.3@64.1,278.4 v1(64.1,281.5) 65.3,282.7 C145C.1@66.3,282.7 ; DA12B.3@64.1,308.4 v1(64.1,311.5) 65.3,312.7 C145B.1@66.3,312.7 ; DA12A.3@64.1,338.4 DA12A.3@64.1,338.5 v1(64.1,341.5) 65.3,342.7 C145A.1@66.3,342.7 ; C129L.1@68.4,11.677 68.677,11.4 v1(73.7,11.4) DA11L.4@77,11.4 ; C129K.1@68.4,41.677 68.677,41.4 v1(73.7,41.4) DA11K.4@77,41.4 ; C129J.1@68.4,71.677 68.677,71.4 DA11J.2@70.8,71.4 v1(73.7,71.4) DA11J.4@76.6,71.4 DA11J.4@77,71.4 ; C129I.1@68.4,101.677 68.677,101.4 v1(73.7,101.4) DA11I.4@77,101.4 ; C129H.1@68.4,131.677 68.677,131.4 DA11H.2@70.8,131.4 v1(73.7,131.4) DA11H.4@76.6,131.4 DA11H.4@77,131.4 ; C129G.1@68.4,161.677 68.677,161.4 DA11G.2@70.8,161.4 v1(73.7,161.4) DA11G.4@76.6,161.4 DA11G.4@77,161.4 ; C129F.1@68.4,191.677 68.677,191.4 v1(73.7,191.4) DA11F.4@77,191.4 ; C129E.1@68.4,221.677 68.677,221.4 DA11E.2@70.8,221.4 v1(73.7,221.4) DA11E.4@76.6,221.4 DA11E.4@77,221.4 ; C129D.1@68.4,251.677 68.677,251.4 v1(73.7,251.4) DA11D.4@77,251.4 ; C129C.1@68.4,281.677 68.677,281.4 v1(73.7,281.4) DA11C.4@77,281.4 ; C129B.1@68.4,311.677 68.677,311.4 DA11B.2@70.8,311.4 v5(73.7,311.4) DA11B.4@76.6,311.4 DA11B.4@77,311.4 ; C129A.1@68.4,341.677 68.677,341.4 DA11A.2@70.8,341.4 v1(73.7,341.4) DA11A.4@76.6,341.4 DA11A.4@77,341.4 ; v1(69.5,3.8) C135L.2@69.5,5.3 ; v1(69.5,33.8) C135K.2@69.5,35.3 ; v1(69.5,63.8) C135J.2@69.5,65.3 ; v1(69.5,93.8) C135I.2@69.5,95.3 ; v1(69.5,123.8) C135H.2@69.5,125.3 ; v1(69.5,153.8) C135G.2@69.5,155.3 ; v1(69.5,183.8) C135F.2@69.5,185.3 ; v1(69.5,213.8) C135E.2@69.5,215.3 ; v1(69.5,243.8) C135D.2@69.5,245.3 ; v1(69.5,273.8) C135C.2@69.5,275.3 ; v1(69.5,303.8) C135B.2@69.5,305.3 ; v1(69.5,333.8) C135A.2@69.5,335.3 ; C47L.1@74.73,26.6 74.74,26.61 X13L.7@74.74,29.2 ; C47K.1@74.73,56.6 74.74,56.61 X13K.7@74.74,59.2 ; C47J.1@74.73,86.6 74.74,86.61 X13J.7@74.74,89.2 ; C47I.1@74.73,116.6 74.74,116.61 X13I.7@74.74,119.2 ; C47H.1@74.73,146.6 74.74,146.61 X13H.7@74.74,149.2 ; C47G.1@74.73,176.6 74.74,176.61 X13G.7@74.74,179.2 ; C47F.1@74.73,206.6 74.74,206.61 X13F.7@74.74,209.2 ; C47E.1@74.73,236.6 74.74,236.61 X13E.7@74.74,239.2 ; C47D.1@74.73,266.6 74.74,266.61 X13D.7@74.74,269.2 ; C47C.1@74.73,296.6 74.74,296.61 X13C.7@74.74,299.2 ; C47B.1@74.73,326.6 74.74,326.61 X13B.7@74.74,329.2 ; C47A.1@74.73,356.6 74.74,356.61 X13A.7@74.74,359.2